# Allegro board T736_DEMO_DBOARD_V0-5-draft.brd (continued)
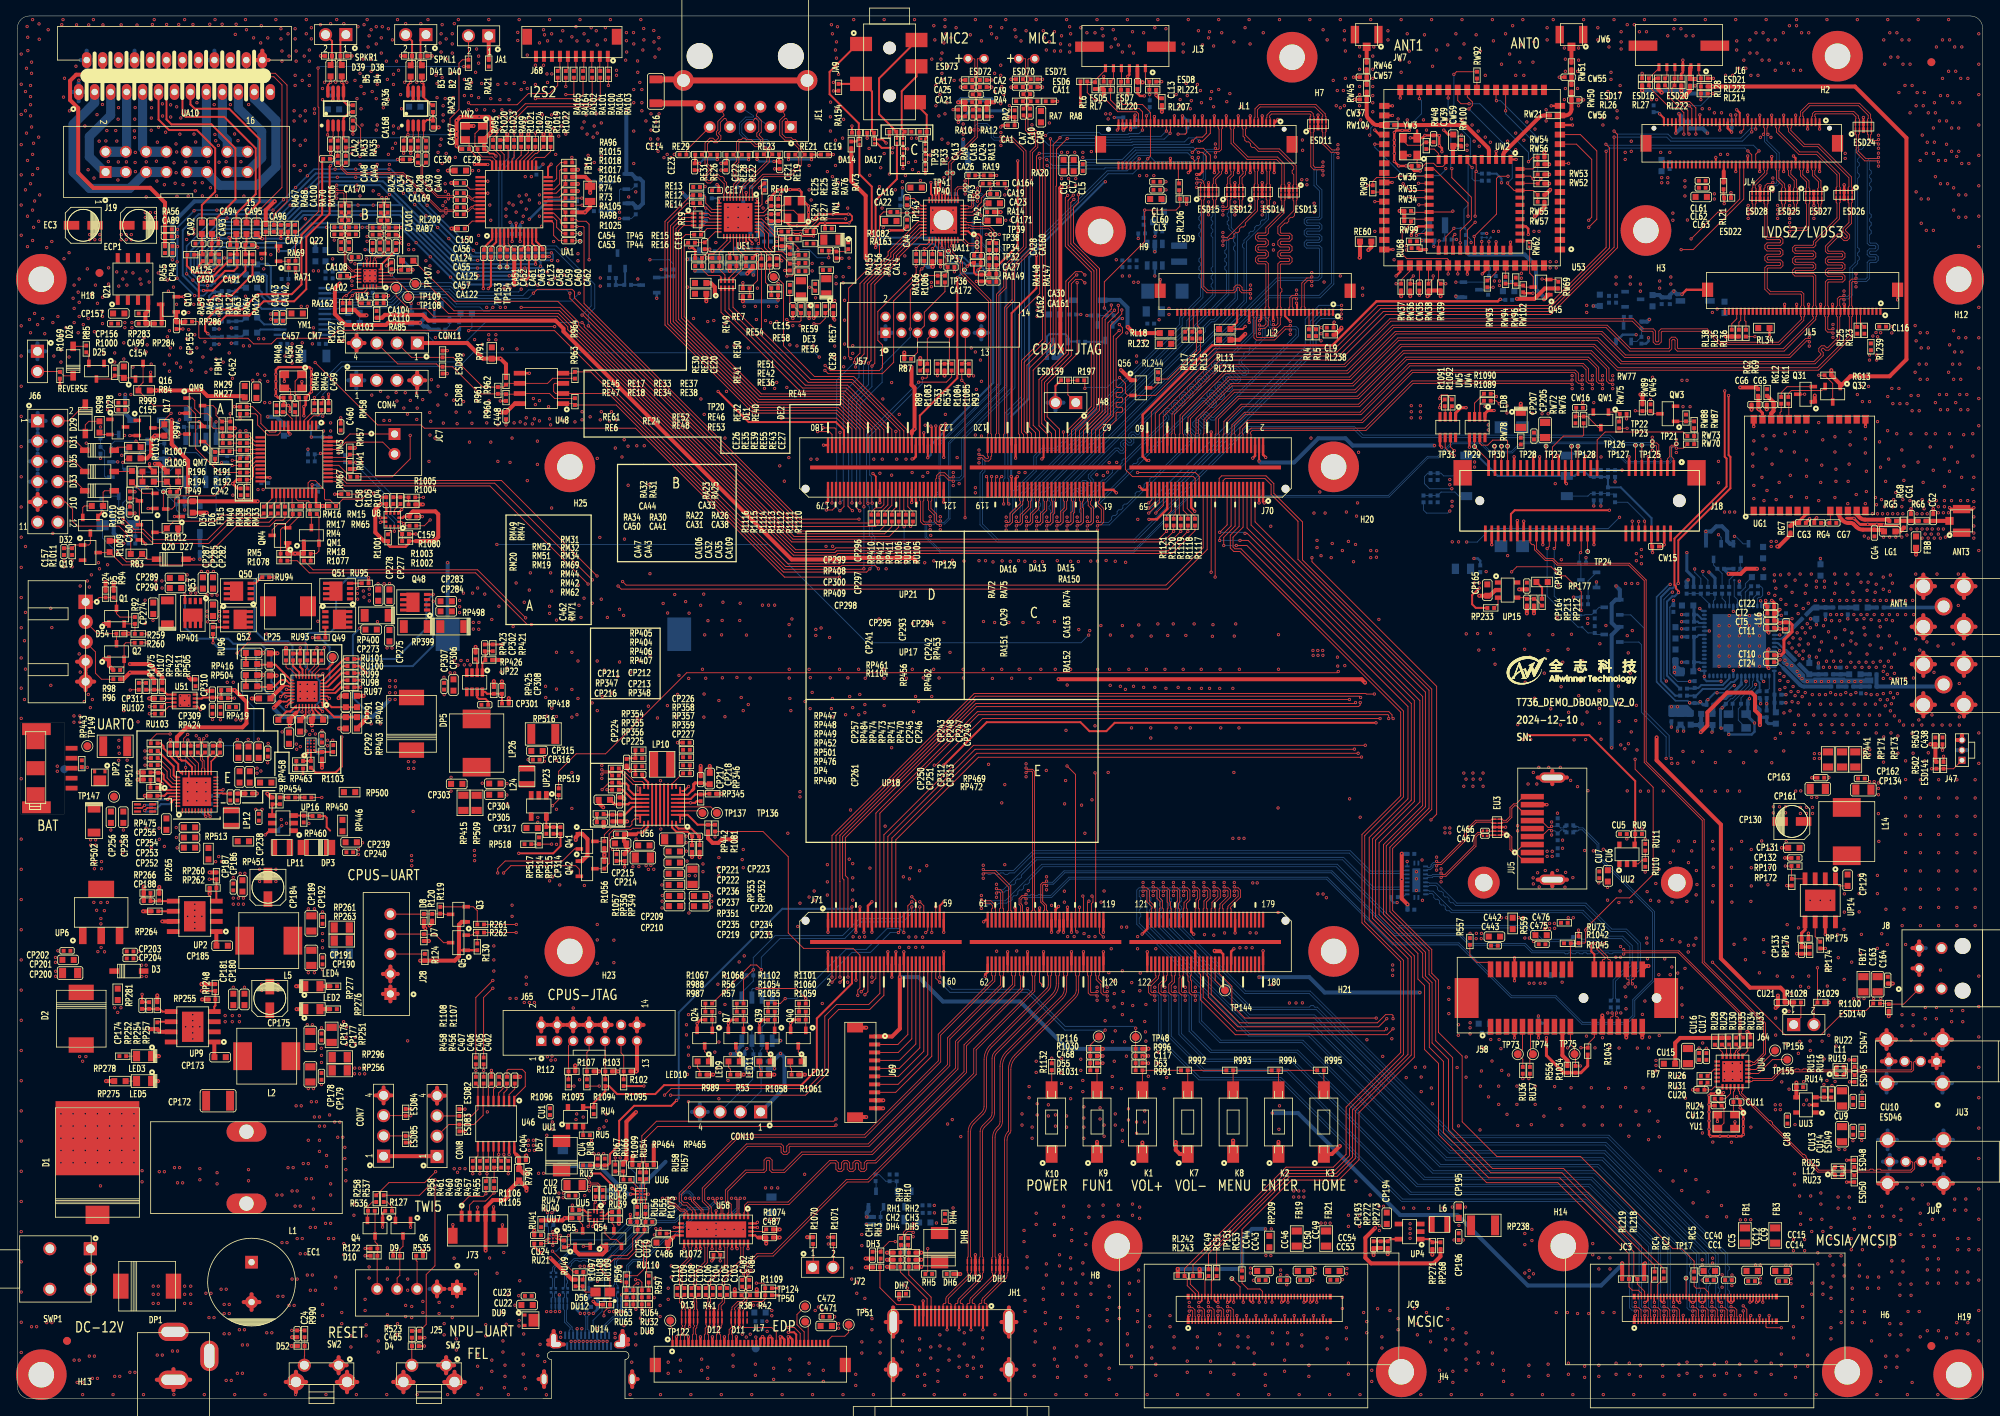
[diagram p0: board, top side]
## Routing (per net, layer and track width the routed paths; a pad name or vN(x,y) marks a point on that pad's centre or on a via; arc(x,y) is an arc through that point) (continued)
  BOTTOM w0.102: v1(120.27,150.62) 120.47,150.83 120.74,150.83 121.31,150.26 121.31,148.17 120.68,147.53 120.68,144.77 123.75,141.7 123.75,126.96 116.64,119.85 116.64,110.37 116.1,109.83 115.8,109.83 v1(115.62,110.01)
LRADC0: length 34.1
  TOP w0.114: J71.58 v1(115.55,52.83) ; R991.1 D53.2 C117.2 R996.2 140.09,45.3 TP48.1 v1(140.1,46.43)
  BOTTOM w0.114: v1(140.1,46.43) 139.87,46.66 131.27,46.66 126.62,51.31 117.08,51.31 v1(115.55,52.83)
LRADC1: length 31.5
  TOP w0.114: J71.56 115.05,52.7 v1(115.55,52.2) ; v1(136.28,46.19) TP116.1 134.41,44.32 R1030.2 C468.2 D55.2 R1031.1
  BOTTOM w0.114: v1(115.55,52.2) 116.82,50.93 126.49,50.93 131.23,46.19 v1(136.28,46.19)
LRCK2: length 2.5
  TOP w0.114: R1020.2 60.48,156.44 60.98,155.94 UA1.33
LRCK3: length 2.4
  TOP w0.114: R1023.2 61.37,156.68 61.48,156.57 UA1.32
LSSET: length 2.3
  TOP w0.254: RP412.2 34.54,91.81 35.32,91.03 UP21.15
LTE-MODULE-RST: length 6
  TOP w0.114: v1(195.83,106.05) 195.91,106.12 J18.22
  BOTTOM w0.114: QW2.3 195.87,104.56 CW17.2 195.66,105.87 v1(195.83,106.05)
LTE-PWR: length 4.5
  TOP w0.254: v1(183.13,101.6) 182.25,100.71 182.25,99.57 182.7,99.11 RP233.1
  vias: v1(182.5,102.23) v1(182.5,101.68) v1(183.13,102.23) v1(184,103.66) v1(231.42,81.33) v1(231.42,80.72) v1(232.05,81.33) v1(232.05,80.72)
LVDS0-CKN: length 92.4
  TOP w0.102: JL1.21 152.45,159.21 152.35,159.11 152.35,157.45 154.18,155.63 157.86,155.63 158.71,154.78 158.71,152.19 158.8,152.1 ESD13.4 ESD13.7 158.8,150.24 158.71,150.14 158.71,148.62 156.71,146.63 156.71,146.07 156.43,145.79 155.52,145.79 155.42,145.69 155.42,145.49 155.52,145.39 156.43,145.39 156.71,145.11 156.71,144.65 156.43,144.37 155.52,144.37 155.42,144.27 155.42,144.06 155.52,143.96 156.43,143.96 156.71,143.68 156.71,143.23 156.43,142.95 155.52,142.95 155.42,142.85 155.42,142.64 155.52,142.54 156.43,142.54 156.71,142.26 156.71,136.86 156.81,136.76 JL2.17 156.81,135.56 156.71,135.46 156.71,134.57 156.29,134.14 155.71,134.14 v1(155.6,134.04) ; J70.69 134.05,112.56 134.15,112.46 134.15,111.92 134.52,111.56 134.52,109.98 134.36,109.82 134.16,109.82 v1(134.04,109.95)
  BOTTOM w0.102: v1(134.04,109.95) 134.16,109.82 134.37,109.82 134.52,109.98 134.52,111.59 138.94,116 138.94,116.28 139.15,116.5 139.44,116.5 139.65,116.71 139.65,117 139.87,117.21 140.15,117.21 140.37,117.43 140.37,117.71 140.58,117.93 140.87,117.93 148.34,125.41 148.74,125.41 149.6,124.54 149.74,124.54 149.89,124.69 149.89,124.83 149.03,125.69 149.03,126.09 149.35,126.41 149.75,126.41 150.61,125.55 150.75,125.55 150.89,125.7 150.89,125.84 150.03,126.7 150.03,127.1 150.36,127.42 150.75,127.42 151.61,126.56 151.76,126.56 151.9,126.7 151.9,126.85 151.04,127.71 151.04,128.1 151.36,128.43 151.76,128.43 152.62,127.57 152.76,127.57 152.91,127.71 152.91,127.85 152.05,128.71 152.05,129.11 152.37,129.43 152.77,129.43 153.63,128.57 153.77,128.57 153.91,128.72 153.91,128.86 153.05,129.72 153.05,130.12 153.64,130.7 153.64,130.99 153.86,131.2 154.14,131.2 154.36,131.42 154.36,131.7 154.57,131.92 154.85,131.92 155.07,132.13 155.07,132.42 155.29,132.63 155.57,132.63 156.01,133.07 156.01,134.01 155.87,134.15 155.72,134.15 v1(155.6,134.04)
LVDS0-CKP: length 92.4
  TOP w0.102: v1(155.6,134.57) 155.73,134.44 156.16,134.44 156.41,134.69 156.41,135.46 156.31,135.56 JL2.18 156.31,136.76 156.41,136.86 156.41,142.13 156.31,142.24 155.4,142.24 155.12,142.52 155.12,142.97 155.4,143.25 156.31,143.25 156.41,143.35 156.41,143.56 156.31,143.66 155.4,143.66 155.12,143.94 155.12,144.39 155.4,144.67 156.31,144.67 156.41,144.78 156.41,144.98 156.31,145.08 155.4,145.08 155.12,145.36 155.12,145.82 155.4,146.1 156.31,146.1 156.41,146.2 156.41,146.76 158.4,148.75 158.4,150.14 158.3,150.24 ESD13.6 ESD13.5 158.3,152.1 158.4,152.19 158.4,154.65 157.73,155.32 154.05,155.32 152.04,157.33 152.04,159.11 151.95,159.21 JL1.23 ; J70.67 134.55,112.56 134.46,112.46 134.46,112.05 134.82,111.68 134.82,109.86 134.49,109.52 134.16,109.52 v1(134.04,109.39)
  BOTTOM w0.102: v1(134.04,109.39) 134.16,109.52 134.49,109.52 134.83,109.85 134.83,111.46 148.47,125.1 148.61,125.1 149.47,124.24 149.87,124.24 150.19,124.56 150.19,124.96 149.33,125.82 149.33,125.96 149.48,126.11 149.62,126.11 150.48,125.25 150.88,125.25 151.2,125.57 151.2,125.97 150.34,126.83 150.34,126.97 150.48,127.11 150.63,127.11 151.49,126.25 151.88,126.25 152.21,126.58 152.21,126.97 151.35,127.83 151.35,127.98 151.49,128.12 151.63,128.12 152.49,127.26 152.89,127.26 153.21,127.58 153.21,127.98 152.35,128.84 152.35,128.98 152.5,129.13 152.64,129.13 153.5,128.27 153.9,128.27 154.22,128.59 154.22,128.99 153.36,129.85 153.36,129.99 156.32,132.95 156.32,134.13 155.99,134.45 155.72,134.45 v1(155.6,134.57)
LVDS0-D0N: length 97.5
  TOP w0.102: v1(163.56,153.9) 163.43,154.03 162.43,154.03 162.04,154.42 162.04,158.71 161.94,158.81 ESD11.1 ESD11.10 161.94,160.67 162.04,160.77 162.04,160.91 161.94,161.01 157.11,161.01 156.85,160.75 156.85,160.61 156.95,160.51 JL1.3 ; JL2.8 161.31,136.76 161.22,136.86 161.22,139.7 161.68,140.16 162.03,140.16 v1(162.16,140.04) ; v1(130.23,109.39) 130.35,109.52 130.68,109.52 131.01,109.86 131.01,111.07 131.46,111.52 131.46,112.46 131.55,112.56 J70.79
  BOTTOM w0.102: v1(130.23,109.39) 130.35,109.52 130.68,109.52 131.02,109.85 131.02,113.31 157.87,140.16 162.03,140.16 v1(162.16,140.04) 162.28,140.16 163,140.16 163.42,140.59 163.42,144.23 163.14,144.51 161.62,144.51 161.52,144.61 161.52,144.81 161.62,144.91 163.14,144.91 163.42,145.19 163.42,145.65 163.14,145.93 161.62,145.93 161.52,146.03 161.52,146.24 161.62,146.34 163.14,146.34 163.42,146.62 163.42,147.07 163.14,147.35 161.62,147.35 161.52,147.45 161.52,147.66 161.62,147.76 163.14,147.76 163.42,148.04 163.42,151.51 162.74,152.2 162.74,153.92 162.84,154.03 163.43,154.03 v1(163.56,153.9)
LVDS0-D0P: length 98
  TOP w0.102: v1(162.16,140.6) 162.03,140.47 161.55,140.47 160.91,139.83 160.91,136.86 160.81,136.76 JL2.9 ; v1(130.23,109.95) 130.35,109.82 130.55,109.82 130.71,109.98 130.71,111.2 131.15,111.64 131.15,112.46 131.05,112.56 J70.81 ; v1(163.56,154.46) 163.43,154.33 162.56,154.33 162.34,154.55 162.34,158.71 162.44,158.81 ESD11.2 ESD11.9 162.44,160.67 162.34,160.77 162.34,161.04 162.06,161.32 156.98,161.32 156.54,160.88 156.54,160.61 156.45,160.51 JL1.5
  BOTTOM w0.102: v1(163.56,154.46) 163.43,154.33 162.71,154.33 162.43,154.05 162.43,152.07 163.12,151.38 163.12,148.17 163.02,148.06 161.49,148.06 161.21,147.78 161.21,147.33 161.49,147.05 163.02,147.05 163.12,146.95 163.12,146.74 163.02,146.64 161.49,146.64 161.21,146.36 161.21,145.91 161.49,145.63 163.02,145.63 163.12,145.52 163.12,145.32 163.02,145.22 161.49,145.22 161.21,144.94 161.21,144.48 161.49,144.2 163.02,144.2 163.12,144.1 163.12,140.72 162.87,140.47 162.28,140.47 v1(162.16,140.6) 162.03,140.47 157.74,140.47 130.71,113.44 130.71,109.98 130.56,109.82 130.35,109.82 v1(130.23,109.95)
LVDS0-D1N: length 95.5
  TOP w0.102: JL1.9 155.45,160.51 155.35,160.61 155.35,161.54 155.7,161.9 162.55,161.9 163.54,160.91 163.54,160.77 163.44,160.67 ESD11.7 ESD11.4 163.44,158.81 163.54,158.71 163.54,157.24 164.57,156.21 165.31,156.21 v1(165.44,156.08) ; JL2.11 159.81,136.76 159.71,136.86 159.71,137.88 159.82,137.98 160.12,137.98 v1(160.25,137.85) ; v1(131.5,109.39) 131.62,109.52 131.95,109.52 132.28,109.86 132.28,110.92 132.46,111.09 132.46,112.46 132.55,112.56 J70.75
  BOTTOM w0.102: v1(165.44,156.08) 165.31,156.21 165.17,156.21 164.92,155.97 164.92,139.7 163.2,137.98 160.37,137.98 v1(160.25,137.85) 160.12,137.98 156.8,137.98 140.54,121.71 140.54,121.57 140.88,121.23 140.88,120.83 140.55,120.51 140.16,120.51 139.82,120.85 139.67,120.85 139.53,120.71 139.53,120.56 139.87,120.22 139.87,119.83 139.54,119.5 139.15,119.5 138.81,119.84 138.67,119.84 138.52,119.7 138.52,119.56 138.86,119.22 138.86,118.82 138.54,118.5 138.14,118.5 137.8,118.84 137.66,118.84 134.47,115.65 134.47,115.5 134.78,115.19 134.78,114.79 134.46,114.47 134.06,114.47 133.75,114.78 133.6,114.78 133.46,114.64 133.46,114.5 133.78,114.18 133.78,113.79 133.45,113.46 133.06,113.46 132.74,113.78 132.6,113.78 132.29,113.47 132.29,109.85 131.95,109.52 131.62,109.52 v1(131.5,109.39)
LVDS0-D1P: length 96
  TOP w0.102: J70.77 132.05,112.56 132.15,112.46 132.15,111.22 131.98,111.05 131.98,109.98 131.82,109.82 131.62,109.82 v1(131.5,109.95) ; JL1.11 154.95,160.51 155.04,160.61 155.04,161.67 155.58,162.2 162.68,162.2 163.84,161.04 163.84,160.77 163.94,160.67 ESD11.6 ESD11.5 163.94,158.81 163.84,158.71 163.84,157.36 164.69,156.51 165.31,156.51 v1(165.44,156.64) ; v1(160.25,138.41) 160.12,138.28 159.69,138.28 159.41,138 159.41,136.86 159.31,136.76 JL2.12
  BOTTOM w0.102: v1(131.5,109.95) 131.62,109.82 131.83,109.82 131.98,109.98 131.98,113.59 132.47,114.08 132.87,114.08 133.18,113.77 133.33,113.77 133.47,113.91 133.47,114.05 133.16,114.37 133.16,114.77 133.48,115.09 133.87,115.09 134.19,114.77 134.33,114.77 134.48,114.92 134.48,115.06 134.16,115.38 134.16,115.77 137.53,119.14 137.93,119.14 138.27,118.8 138.41,118.8 138.56,118.95 138.56,119.09 138.22,119.43 138.22,119.83 138.54,120.15 138.94,120.15 139.28,119.81 139.42,119.81 139.56,119.95 139.56,120.1 139.22,120.44 139.22,120.83 139.55,121.16 139.94,121.16 140.28,120.82 140.43,120.82 140.57,120.96 140.57,121.1 140.23,121.44 140.23,121.84 156.67,138.28 160.12,138.28 v1(160.25,138.41) 160.37,138.28 163.07,138.28 164.62,139.83 164.62,156.09 165.04,156.51 165.31,156.51 v1(165.44,156.64)
LVDS0-D2N: length 93.3
  TOP w0.102: v1(157.35,134.09) 157.45,134.19 157.78,134.19 158.22,134.62 158.22,135.46 158.31,135.56 JL2.14 158.31,136.76 158.22,136.86 158.22,138.56 158.42,138.76 158.42,139.07 158.22,139.27 158.22,142.11 158.32,142.22 159.41,142.22 159.69,142.5 159.69,142.95 159.41,143.23 158.32,143.23 158.22,143.33 158.22,143.54 158.32,143.64 159.41,143.64 159.69,143.92 159.69,144.37 159.41,144.65 158.32,144.65 158.22,144.76 158.22,144.96 158.32,145.06 159.41,145.06 159.69,145.34 159.69,145.8 159.41,146.08 158.32,146.08 158.22,146.18 158.22,146.79 158.78,147.35 159.06,147.35 159.28,147.56 159.28,147.85 159.49,148.06 159.78,148.06 159.99,148.28 159.99,148.56 160.21,148.78 160.21,150.14 160.3,150.24 ESD13.10 ESD13.1 160.3,152.1 160.21,152.19 160.21,154.55 158.11,156.64 155.57,156.64 153.85,158.37 153.85,159.11 153.95,159.21 JL1.15 ; v1(132.77,109.39) 132.89,109.52 133.22,109.52 133.55,109.86 133.55,111.61 133.46,111.7 133.46,112.46 133.55,112.56 J70.71
  BOTTOM w0.102: v1(157.35,134.09) 157.24,134.2 156.95,134.2 156.67,134.48 156.67,134.93 156.11,135.48 155.42,135.48 155.07,135.13 155.07,133.54 150.99,129.46 150.59,129.46 150.18,129.87 150.04,129.87 149.89,129.73 149.89,129.58 150.3,129.18 150.3,128.78 149.98,128.46 149.58,128.46 149.18,128.87 149.03,128.87 148.89,128.72 148.89,128.58 149.3,128.17 149.3,127.77 148.97,127.45 148.58,127.45 148.17,127.86 148.03,127.86 147.88,127.71 147.88,127.57 148.29,127.16 148.29,126.77 147.97,126.44 147.57,126.44 147.16,126.85 147.02,126.85 146.87,126.71 146.87,126.56 147.28,126.16 147.28,125.76 146.96,125.44 146.56,125.44 146.16,125.85 146.01,125.85 145.87,125.7 145.87,125.56 146.28,125.15 146.28,124.75 145.95,124.43 145.56,124.43 145.15,124.84 145.01,124.84 144.86,124.69 144.86,124.55 145.27,124.14 145.27,123.75 144.95,123.42 144.55,123.42 144.14,123.83 144,123.83 143.85,123.69 143.85,123.54 144.26,123.14 144.26,122.74 133.56,112.03 133.56,109.85 133.22,109.52 132.89,109.52 v1(132.77,109.39)
LVDS0-D2P: length 93.3
  TOP w0.102: JL1.17 153.45,159.21 153.54,159.11 153.54,158.24 153.76,158.02 153.76,157.74 153.98,157.53 154.26,157.53 154.48,157.31 154.48,157.03 154.69,156.81 154.97,156.81 155.45,156.34 157.99,156.34 159.9,154.42 159.9,154.12 159.7,153.92 159.7,153.61 159.9,153.41 159.9,152.19 159.8,152.1 ESD13.2 ESD13.9 159.8,150.24 159.9,150.14 159.9,148.9 157.91,146.91 157.91,146.05 158.19,145.77 159.28,145.77 159.38,145.67 159.38,145.47 159.28,145.37 158.19,145.37 157.91,145.09 157.91,144.63 158.19,144.35 159.28,144.35 159.38,144.25 159.38,144.05 159.28,143.94 158.19,143.94 157.91,143.66 157.91,143.21 158.19,142.93 159.28,142.93 159.38,142.83 159.38,142.62 159.28,142.52 158.19,142.52 157.91,142.24 157.91,136.86 157.81,136.76 JL2.15 157.81,135.56 157.91,135.46 157.91,134.75 157.66,134.49 157.48,134.49 v1(157.35,134.62) ; J70.73 133.05,112.56 133.15,112.46 133.15,111.58 133.25,111.48 133.25,109.98 133.09,109.82 132.89,109.82 v1(132.77,109.95)
  BOTTOM w0.102: v1(157.35,134.62) 157.24,134.51 157.07,134.51 156.97,134.61 156.97,135.05 156.24,135.79 155.3,135.79 154.76,135.25 154.76,133.67 150.86,129.77 150.72,129.77 150.31,130.18 149.91,130.18 149.59,129.85 149.59,129.46 150,129.05 150,128.91 149.85,128.76 149.71,128.76 149.3,129.17 148.91,129.17 148.58,128.85 148.58,128.45 148.99,128.04 148.99,127.9 148.85,127.76 148.7,127.76 148.3,128.16 147.9,128.16 147.58,127.84 147.58,127.44 147.98,127.04 147.98,126.89 147.84,126.75 147.7,126.75 147.29,127.16 146.89,127.16 146.57,126.83 146.57,126.44 146.98,126.03 146.98,125.89 146.83,125.74 146.69,125.74 146.28,126.15 145.89,126.15 145.56,125.83 145.56,125.43 145.97,125.02 145.97,124.88 145.83,124.74 145.68,124.74 145.28,125.14 144.88,125.14 144.56,124.82 144.56,124.42 144.96,124.02 144.96,123.87 144.82,123.73 144.68,123.73 144.27,124.14 143.87,124.14 143.55,123.81 143.55,123.42 143.96,123.01 143.96,122.87 138.88,117.79 138.6,117.79 138.39,117.58 138.39,117.29 137.68,116.59 137.39,116.59 137.18,116.37 137.18,116.09 136.23,115.14 135.95,115.14 135.73,114.93 135.73,114.64 135.52,114.43 135.24,114.43 135.02,114.21 135.02,113.93 134.01,112.92 133.73,112.92 133.51,112.7 133.51,112.42 133.25,112.16 133.25,111.64 133.05,111.44 133.05,111.14 133.25,110.94 133.25,109.98 133.1,109.82 132.89,109.82 v1(132.77,109.95)
LVDS0-D3N: length 97.6
  TOP w0.102: v1(147.75,152.35) 147.87,152.48 148.22,152.48 148.32,152.37 148.32,152.28 148.23,152.19 ESD15.10 ESD15.1 148.23,150.33 148.32,150.23 148.32,139.31 149.02,138.61 152.43,138.61 152.71,138.89 152.71,139.17 152.81,139.27 153.02,139.27 153.12,139.17 153.12,138.89 153.4,138.61 154.36,138.61 v1(154.48,138.48) ; v1(150.08,156.16) 150.21,156.29 150.57,156.29 150.85,156.57 150.85,159.11 150.95,159.21 JL1.27 ; v1(159.47,134.49) 159.34,134.37 158.75,134.37 157.38,132.99 155.32,132.99 155.21,133.1 155.21,135.46 155.31,135.56 JL2.20 ; J70.63 135.55,112.56 135.46,112.46 135.46,112.22 136.09,111.58 136.09,109.86 135.76,109.52 135.43,109.52 v1(135.31,109.39)
  L4 w0.102: v1(159.47,134.49) 159.3,134.33 159.16,134.33 156.4,137.08 154,137.08 153.9,137.19 153.9,138.52 154,138.62 154.34,138.62 v1(154.48,138.48)
  BOTTOM w0.102: v1(147.75,152.35) 147.87,152.48 148.49,152.48 148.87,152.85 148.87,156.06 149.09,156.29 149.96,156.29 v1(150.08,156.16) ; v1(135.31,109.39) 135.43,109.52 136.81,109.52 147.25,119.96 147.25,120.35 146.55,121.06 146.55,121.2 146.69,121.34 146.84,121.34 147.54,120.64 147.93,120.64 148.26,120.96 148.26,121.36 147.55,122.06 147.55,122.21 147.7,122.35 147.84,122.35 148.54,121.65 148.94,121.65 149.26,121.97 149.26,122.37 148.56,123.07 148.56,123.21 148.71,123.36 148.85,123.36 149.55,122.66 149.95,122.66 160.49,133.2 160.49,134.09 160.21,134.37 159.59,134.37 v1(159.47,134.49)
LVDS0-D3P: length 98
  TOP w0.102: v1(135.31,109.95) 135.43,109.82 135.63,109.82 135.79,109.98 135.79,111.46 135.15,112.09 135.15,112.46 135.05,112.56 J70.65 ; v1(159.47,133.93) 159.34,134.06 158.88,134.06 157.51,132.69 155.19,132.69 154.91,132.97 154.91,135.46 154.81,135.56 JL2.21 ; JL1.29 150.45,159.21 150.55,159.11 150.55,156.69 150.44,156.59 150.21,156.59 v1(150.08,156.72) ; v1(154.48,139.04) 154.36,138.91 153.53,138.91 153.42,139.01 153.42,139.29 153.14,139.57 152.69,139.57 152.41,139.29 152.41,139.01 152.31,138.91 149.15,138.91 148.63,139.43 148.63,150.23 148.72,150.33 ESD15.2 ESD15.9 148.72,152.19 148.63,152.28 148.63,152.5 148.35,152.78 147.87,152.78 v1(147.75,152.91)
  L4 w0.102: v1(154.48,139.04) 154.34,138.9 153.88,138.9 153.62,138.63 153.62,137.07 153.88,136.8 156.29,136.8 159.04,134.05 159.35,134.05 v1(159.47,133.93)
  BOTTOM w0.102: v1(135.31,109.95) 135.43,109.82 136.68,109.82 137.06,110.2 137.06,110.48 137.27,110.7 137.56,110.7 137.77,110.91 137.77,111.2 137.99,111.41 138.27,111.41 138.49,111.63 138.49,111.91 138.7,112.13 138.99,112.13 140.03,113.17 140.03,113.46 140.25,113.67 140.53,113.67 141.16,114.29 141.16,114.58 141.37,114.79 141.65,114.79 141.87,115.01 141.87,115.29 142.09,115.51 142.37,115.51 146.95,120.08 146.95,120.23 146.24,120.93 146.24,121.33 146.57,121.65 146.96,121.65 147.66,120.95 147.81,120.95 147.95,121.09 147.95,121.23 147.25,121.94 147.25,122.33 147.57,122.66 147.97,122.66 148.67,121.95 148.82,121.95 148.96,122.1 148.96,122.24 148.26,122.94 148.26,123.34 148.58,123.66 148.98,123.66 149.68,122.96 149.82,122.96 160.19,133.32 160.19,133.96 160.08,134.06 159.59,134.06 v1(159.47,133.93) ; v1(147.75,152.91) 147.87,152.78 148.36,152.78 148.56,152.98 148.56,156.18 148.97,156.59 149.96,156.59 v1(150.08,156.72)
LVDS1-CKN: length 64
  TOP w0.102: v1(126.42,109.39) 126.54,109.52 126.87,109.52 127.2,109.86 127.2,110.77 127.96,111.52 127.96,112.46 128.05,112.56 J70.93 ; v1(151.02,145.63) 151.13,145.52 151.56,145.52 155.04,149 155.04,150.21 154.95,150.31 ESD14.1 ESD14.10 154.95,152.17 155.04,152.27 155.04,153.81 154.95,153.91 JL1.12
  BOTTOM w0.102: v1(151.02,145.63) 151.14,145.51 151.49,145.51 151.77,145.23 151.77,138.38 147.75,134.37 147.75,133.94 127.21,113.39 127.21,109.85 126.87,109.52 126.54,109.52 v1(126.42,109.39)
LVDS1-CKP: length 64
  TOP w0.102: J70.95 127.55,112.56 127.65,112.46 127.65,111.65 126.9,110.9 126.9,109.98 126.74,109.82 126.54,109.82 v1(126.42,109.95) ; v1(151.02,145.09) 151.14,145.21 151.69,145.21 151.9,145.43 152.19,145.43 152.4,145.64 152.4,145.93 152.62,146.14 152.9,146.14 153.12,146.36 153.12,146.64 153.33,146.86 153.62,146.86 153.83,147.07 153.83,147.36 155.35,148.87 155.35,150.21 155.45,150.31 ESD14.2 ESD14.9 155.45,152.17 155.35,152.27 155.35,153.81 155.45,153.91 JL1.10
  BOTTOM w0.102: v1(126.42,109.95) 126.54,109.82 126.75,109.82 126.9,109.98 126.9,113.52 147.45,134.07 147.45,134.49 151.46,138.51 151.46,141.37 151.26,141.57 151.26,141.87 151.46,142.07 151.46,142.38 151.26,142.58 151.26,142.88 151.46,143.08 151.46,143.39 151.26,143.59 151.26,143.89 151.46,144.09 151.46,145.11 151.36,145.21 151.14,145.21 v1(151.02,145.09)
LVDS1-D0N: length 63.9
  TOP w0.102: v1(149.22,149.45) 149.33,149.35 149.58,149.35 149.82,149.59 149.82,150.23 149.73,150.33 ESD15.4 ESD15.7 149.73,152.19 149.82,152.28 149.82,152.95 150.55,153.67 150.55,153.81 150.45,153.91 JL1.30 ; v1(123.88,109.95) 124,109.82 124.2,109.82 124.36,109.98 124.36,110.95 125.65,112.24 125.65,112.46 125.55,112.56 J70.103
  BOTTOM w0.102: v1(149.22,149.45) 149.11,149.34 148.73,149.34 148.22,148.83 148.22,148.28 148.01,148.08 148.01,147.78 148.22,147.58 148.22,147.27 148.01,147.07 148.01,146.77 148.22,146.57 148.22,146.26 148.01,146.06 148.01,145.75 148.22,145.55 148.22,143.05 148.01,142.85 148.01,142.55 148.22,142.35 148.22,142.04 148.01,141.84 148.01,141.54 148.22,141.34 148.22,141.03 148.01,140.83 148.01,140.53 148.22,140.32 148.22,138.13 145.62,135.53 145.62,134.65 130.1,119.13 128.35,119.13 127.33,118.11 127.33,116.36 124.71,113.74 124.71,111.4 124.36,111.05 124.36,109.98 124.21,109.82 124,109.82 v1(123.88,109.95)
LVDS1-D0P: length 63.9
  TOP w0.102: v1(123.88,109.39) 124,109.52 124.33,109.52 124.66,109.86 124.66,110.82 125.96,112.11 125.96,112.46 126.05,112.56 J70.101 ; v1(149.22,148.92) 149.35,149.05 149.71,149.05 150.13,149.47 150.13,150.23 150.22,150.33 ESD15.5 ESD15.6 150.22,152.19 150.13,152.28 150.13,152.82 150.85,153.54 150.85,153.81 150.95,153.91 JL1.28
  BOTTOM w0.102: v1(123.88,109.39) 124,109.52 124.33,109.52 124.67,109.85 124.67,110.93 125.02,111.28 125.02,113.61 127.64,116.23 127.64,117.98 128.47,118.82 130.23,118.82 145.92,134.52 145.92,135.41 148.52,138.01 148.52,148.7 148.86,149.03 149.11,149.03 v1(149.22,148.92)
LVDS1-D1N: length 63
  TOP w0.102: JL1.24 151.95,153.91 152.04,153.81 152.04,153.47 151.62,153.04 151.62,152.27 151.52,152.17 ESD12.10 ESD12.1 151.52,150.31 151.62,150.21 151.62,149.46 151.49,149.34 151.12,149.34 v1(151.02,149.44) ; v1(125.15,109.95) 125.27,109.82 125.53,109.82 125.63,109.93 125.63,110.79 126.65,111.82 126.65,112.46 126.55,112.56 J70.99
  BOTTOM w0.102: v1(151.02,149.44) 150.91,149.32 150.37,149.32 149.76,148.72 149.76,148.26 149.56,148.06 149.56,147.76 149.76,147.56 149.76,147.25 149.56,147.05 149.56,146.75 149.76,146.55 149.76,146.24 149.56,146.04 149.56,145.74 149.76,145.54 149.76,141.9 149.56,141.7 149.56,141.39 149.76,141.19 149.76,140.89 149.56,140.69 149.56,140.38 149.76,140.18 149.76,139.88 149.56,139.68 149.56,139.37 149.76,139.17 149.76,138.38 146.51,135.13 146.51,134.26 125.63,113.39 125.63,109.93 125.53,109.82 125.27,109.82 v1(125.15,109.95)
LVDS1-D1P: length 63.1
  TOP w0.102: v1(125.15,109.39) 125.27,109.52 125.65,109.52 125.93,109.8 125.93,110.67 126.96,111.69 126.96,112.46 127.05,112.56 J70.97 ; v1(151.02,148.9) 151.15,149.03 151.62,149.03 151.92,149.34 151.92,150.21 152.02,150.31 ESD12.2 ESD12.9 152.02,152.17 151.92,152.27 151.92,152.92 152.35,153.34 152.35,153.81 152.45,153.91 JL1.22
  BOTTOM w0.102: v1(125.15,109.39) 125.27,109.52 125.65,109.52 125.93,109.8 125.93,113.26 146.81,134.14 146.81,135 150.06,138.25 150.06,148.59 150.49,149.02 150.91,149.02 v1(151.02,148.9)
LVDS1-D2N: length 63.1
  TOP w0.102: J70.91 128.55,112.56 128.65,112.46 128.65,111.45 128.17,110.97 128.17,109.98 128.01,109.82 127.81,109.82 v1(127.69,109.95) ; v1(152.52,149.44) 152.62,149.34 153.02,149.34 153.12,149.44 153.12,150.21 153.02,150.31 ESD12.4 ESD12.7 153.02,152.17 153.12,152.27 153.12,153.12 153.54,153.54 153.54,153.81 153.45,153.91 JL1.18
  BOTTOM w0.102: v1(127.69,109.95) 127.81,109.82 128.02,109.82 128.17,109.98 128.17,111.19 127.97,111.4 127.97,111.7 128.17,111.9 128.17,112.21 127.97,112.41 127.97,112.71 128.17,112.91 128.17,113.52 148.51,133.86 148.51,134.32 149.48,135.28 149.89,135.28 152.55,137.94 152.55,143.82 152.34,144.02 152.34,144.33 152.55,144.53 152.55,144.84 152.34,145.04 152.34,145.34 152.55,145.55 152.55,145.85 151.76,146.63 151.76,147.02 151.56,147.22 151.56,147.53 151.76,147.73 151.76,148.03 151.56,148.23 151.56,148.54 151.76,148.74 151.76,149.04 152.04,149.32 152.41,149.32 v1(152.52,149.44)
LVDS1-D2P: length 63.1
  TOP w0.102: v1(152.52,148.9) 152.65,149.03 153.14,149.03 153.42,149.31 153.42,150.21 153.52,150.31 ESD12.5 ESD12.6 153.52,152.17 153.42,152.27 153.42,152.99 153.85,153.42 153.85,153.81 153.95,153.91 JL1.16 ; J70.89 129.05,112.56 128.96,112.46 128.96,111.33 128.47,110.85 128.47,109.86 128.14,109.52 127.81,109.52 v1(127.69,109.39)
  BOTTOM w0.102: v1(127.69,109.39) 127.81,109.52 128.14,109.52 128.48,109.85 128.48,113.39 148.82,133.73 148.82,134.19 149.61,134.98 150.01,134.98 152.85,137.82 152.85,145.98 152.07,146.76 152.07,148.92 152.17,149.02 152.41,149.02 v1(152.52,148.9)
LVDS1-D3N: length 63.4
  TOP w0.102: v1(155.95,149.44) 156.05,149.34 156.42,149.34 156.54,149.46 156.54,150.21 156.45,150.31 ESD14.4 ESD14.7 156.45,152.17 156.54,152.27 156.54,153.81 156.45,153.91 JL1.6 ; v1(128.96,109.39) 129.08,109.52 129.41,109.52 129.74,109.86 129.74,110.79 129.96,111.01 129.96,112.46 130.05,112.56 J70.85
  BOTTOM w0.102: v1(128.96,109.39) 129.08,109.52 129.41,109.52 129.75,109.85 129.75,113.24 153.97,137.46 153.97,145.06 156.74,147.83 156.74,148.99 156.41,149.32 156.06,149.32 v1(155.95,149.44)
LVDS1-D3P: length 63.4
  TOP w0.102: J70.87 129.55,112.56 129.65,112.46 129.65,111.13 129.44,110.92 129.44,109.98 129.28,109.82 129.08,109.82 v1(128.96,109.95) ; v1(155.95,148.9) 156.07,149.03 156.54,149.03 156.85,149.34 156.85,150.21 156.95,150.31 ESD14.5 ESD14.6 156.95,152.17 156.85,152.27 156.85,153.81 156.95,153.91 JL1.4
  BOTTOM w0.102: v1(128.96,109.95) 129.08,109.82 129.29,109.82 129.44,109.98 129.44,111.33 129.24,111.53 129.24,111.84 129.44,112.04 129.44,112.34 129.24,112.54 129.24,112.85 129.44,113.05 129.44,113.36 153.67,137.59 153.67,144.18 153.47,144.38 153.47,144.68 153.67,144.88 153.67,145.19 154.29,145.81 154.29,146.09 154.51,146.31 154.79,146.31 155.01,146.53 155.01,146.81 155.22,147.02 155.51,147.02 155.72,147.24 155.72,147.52 155.94,147.74 156.22,147.74 156.44,147.96 156.44,148.87 156.29,149.02 156.06,149.02 v1(155.95,148.9)
LVDS2-CKN: length 137.7
  TOP w0.102: JL4.21 220.77,159.33 220.67,159.24 220.67,158.88 223.29,156.26 225.51,156.26 228.26,153.51 228.26,151.9 228.35,151.81 ESD26.4 ESD26.7 228.35,149.95 228.26,149.85 228.26,147.87 225.3,144.91 225.3,144.54 225.02,144.26 222.81,144.26 222.71,144.16 222.71,143.96 222.81,143.85 225.02,143.85 225.3,143.57 225.3,143.12 225.02,142.84 222.81,142.84 222.71,142.74 222.71,142.53 222.81,142.43 225.02,142.43 225.3,142.15 225.3,141.69 225.02,141.42 222.81,141.42 222.71,141.31 222.71,141.11 222.81,141.01 225.02,141.01 225.3,140.73 225.3,136.99 225.4,136.89 JL5.17 225.4,135.68 225.3,135.59 225.3,135.26 221.34,131.3 207.94,131.3 207.66,131.58 207.66,132.64 207.56,132.74 207.36,132.74 207.26,132.64 207.26,131.58 206.98,131.3 201.98,131.3 199.03,134.24 172.41,134.24 166.69,128.53 151.36,128.53 145.96,123.12 145.96,120.96 146.05,120.87 J70.42
LVDS2-CKP: length 137.7
  TOP w0.102: JL4.23 220.27,159.33 220.37,159.24 220.37,158.75 223.16,155.96 225.38,155.96 227.95,153.39 227.95,151.9 227.85,151.81 ESD26.5 ESD26.6 227.85,149.95 227.95,149.85 227.95,147.99 224.99,145.03 224.99,144.67 224.89,144.56 222.68,144.56 222.4,144.28 222.4,143.83 222.68,143.55 224.89,143.55 224.99,143.45 224.99,143.24 224.89,143.14 222.68,143.14 222.4,142.86 222.4,142.41 222.68,142.13 224.89,142.13 224.99,142.02 224.99,141.82 224.89,141.72 222.68,141.72 222.4,141.44 222.4,140.98 222.68,140.7 224.89,140.7 224.99,140.6 224.99,136.99 224.9,136.89 JL5.18 224.9,135.69 225,135.59 225,135.38 221.21,131.6 208.07,131.6 207.97,131.7 207.97,132.77 207.69,133.05 207.23,133.05 206.95,132.77 206.95,131.7 206.85,131.6 202.1,131.6 199.16,134.55 172.28,134.55 166.56,128.83 151.23,128.83 145.65,123.25 145.65,120.96 145.55,120.87 J70.44
LVDS2-D0N: length 134.6
  TOP w0.102: JL4.3 225.27,160.64 225.18,160.74 225.18,160.93 225.28,161.04 229.94,161.04 230.33,160.64 230.33,160.43 230.27,160.37 ESD24.10 ESD24.1 230.27,158.51 230.36,158.41 230.36,156.2 231.42,155.14 233.03,155.14 v1(233.15,155.02) ; v1(230.33,139.88) 230.21,140.01 229.9,140.01 229.8,139.91 229.8,136.99 229.9,136.89 JL5.8 229.9,135.68 229.8,135.59 229.8,133.08 225.63,128.91 200.41,128.91 197.46,131.85 173.4,131.85 167.68,126.14 152.49,126.14 148.96,122.61 148.96,120.96 149.05,120.87 J70.30
  BOTTOM w0.102: v1(230.33,139.88) 230.46,140.01 231.65,140.01 232.04,140.4 232.04,142.29 232.14,142.4 232.84,142.4 233.12,142.68 233.12,143.13 232.84,143.41 232.14,143.41 232.04,143.51 232.04,143.72 232.14,143.82 232.84,143.82 233.12,144.1 233.12,144.55 232.84,144.83 232.14,144.83 232.04,144.94 232.04,145.87 232.24,146.07 232.24,146.37 232.04,146.57 232.04,146.88 232.24,147.08 232.24,147.39 232.04,147.59 232.04,147.89 232.24,148.09 232.24,148.4 232.04,148.6 232.04,151.33 232.24,151.53 232.24,151.84 232.04,152.04 232.04,152.34 232.24,152.54 232.24,152.85 232.04,153.05 232.04,153.36 232.24,153.56 232.24,153.86 232.04,154.06 232.04,155.04 232.14,155.14 233.03,155.14 v1(233.15,155.02)
LVDS2-D0P: length 134.7
  TOP w0.102: JL4.5 224.77,160.64 224.87,160.74 224.87,161.06 225.15,161.34 230.06,161.34 230.63,160.77 230.63,160.5 230.77,160.37 ESD24.9 ESD24.2 230.77,158.51 230.67,158.41 230.67,156.33 231.55,155.45 233.03,155.45 v1(233.15,155.57) ; v1(230.33,140.44) 230.21,140.32 229.78,140.32 229.5,140.04 229.5,136.99 229.4,136.89 JL5.9 229.4,135.69 229.5,135.59 229.5,133.21 225.5,129.21 200.53,129.21 197.59,132.16 173.27,132.16 167.56,126.44 152.36,126.44 148.65,122.73 148.65,120.96 148.55,120.87 J70.32
  BOTTOM w0.102: v1(230.33,140.44) 230.46,140.32 231.53,140.32 231.74,140.53 231.74,142.42 232.02,142.7 232.71,142.7 232.82,142.8 232.82,143.01 232.71,143.11 232.02,143.11 231.74,143.39 231.74,143.84 232.02,144.12 232.71,144.12 232.82,144.23 232.82,144.43 232.71,144.53 232.02,144.53 231.74,144.81 231.74,155.17 232.02,155.45 233.03,155.45 v1(233.15,155.57)
